# Altium PCB LimeSDR-XTRX_1v1.PcbDoc (part 5 of 8) (continued)
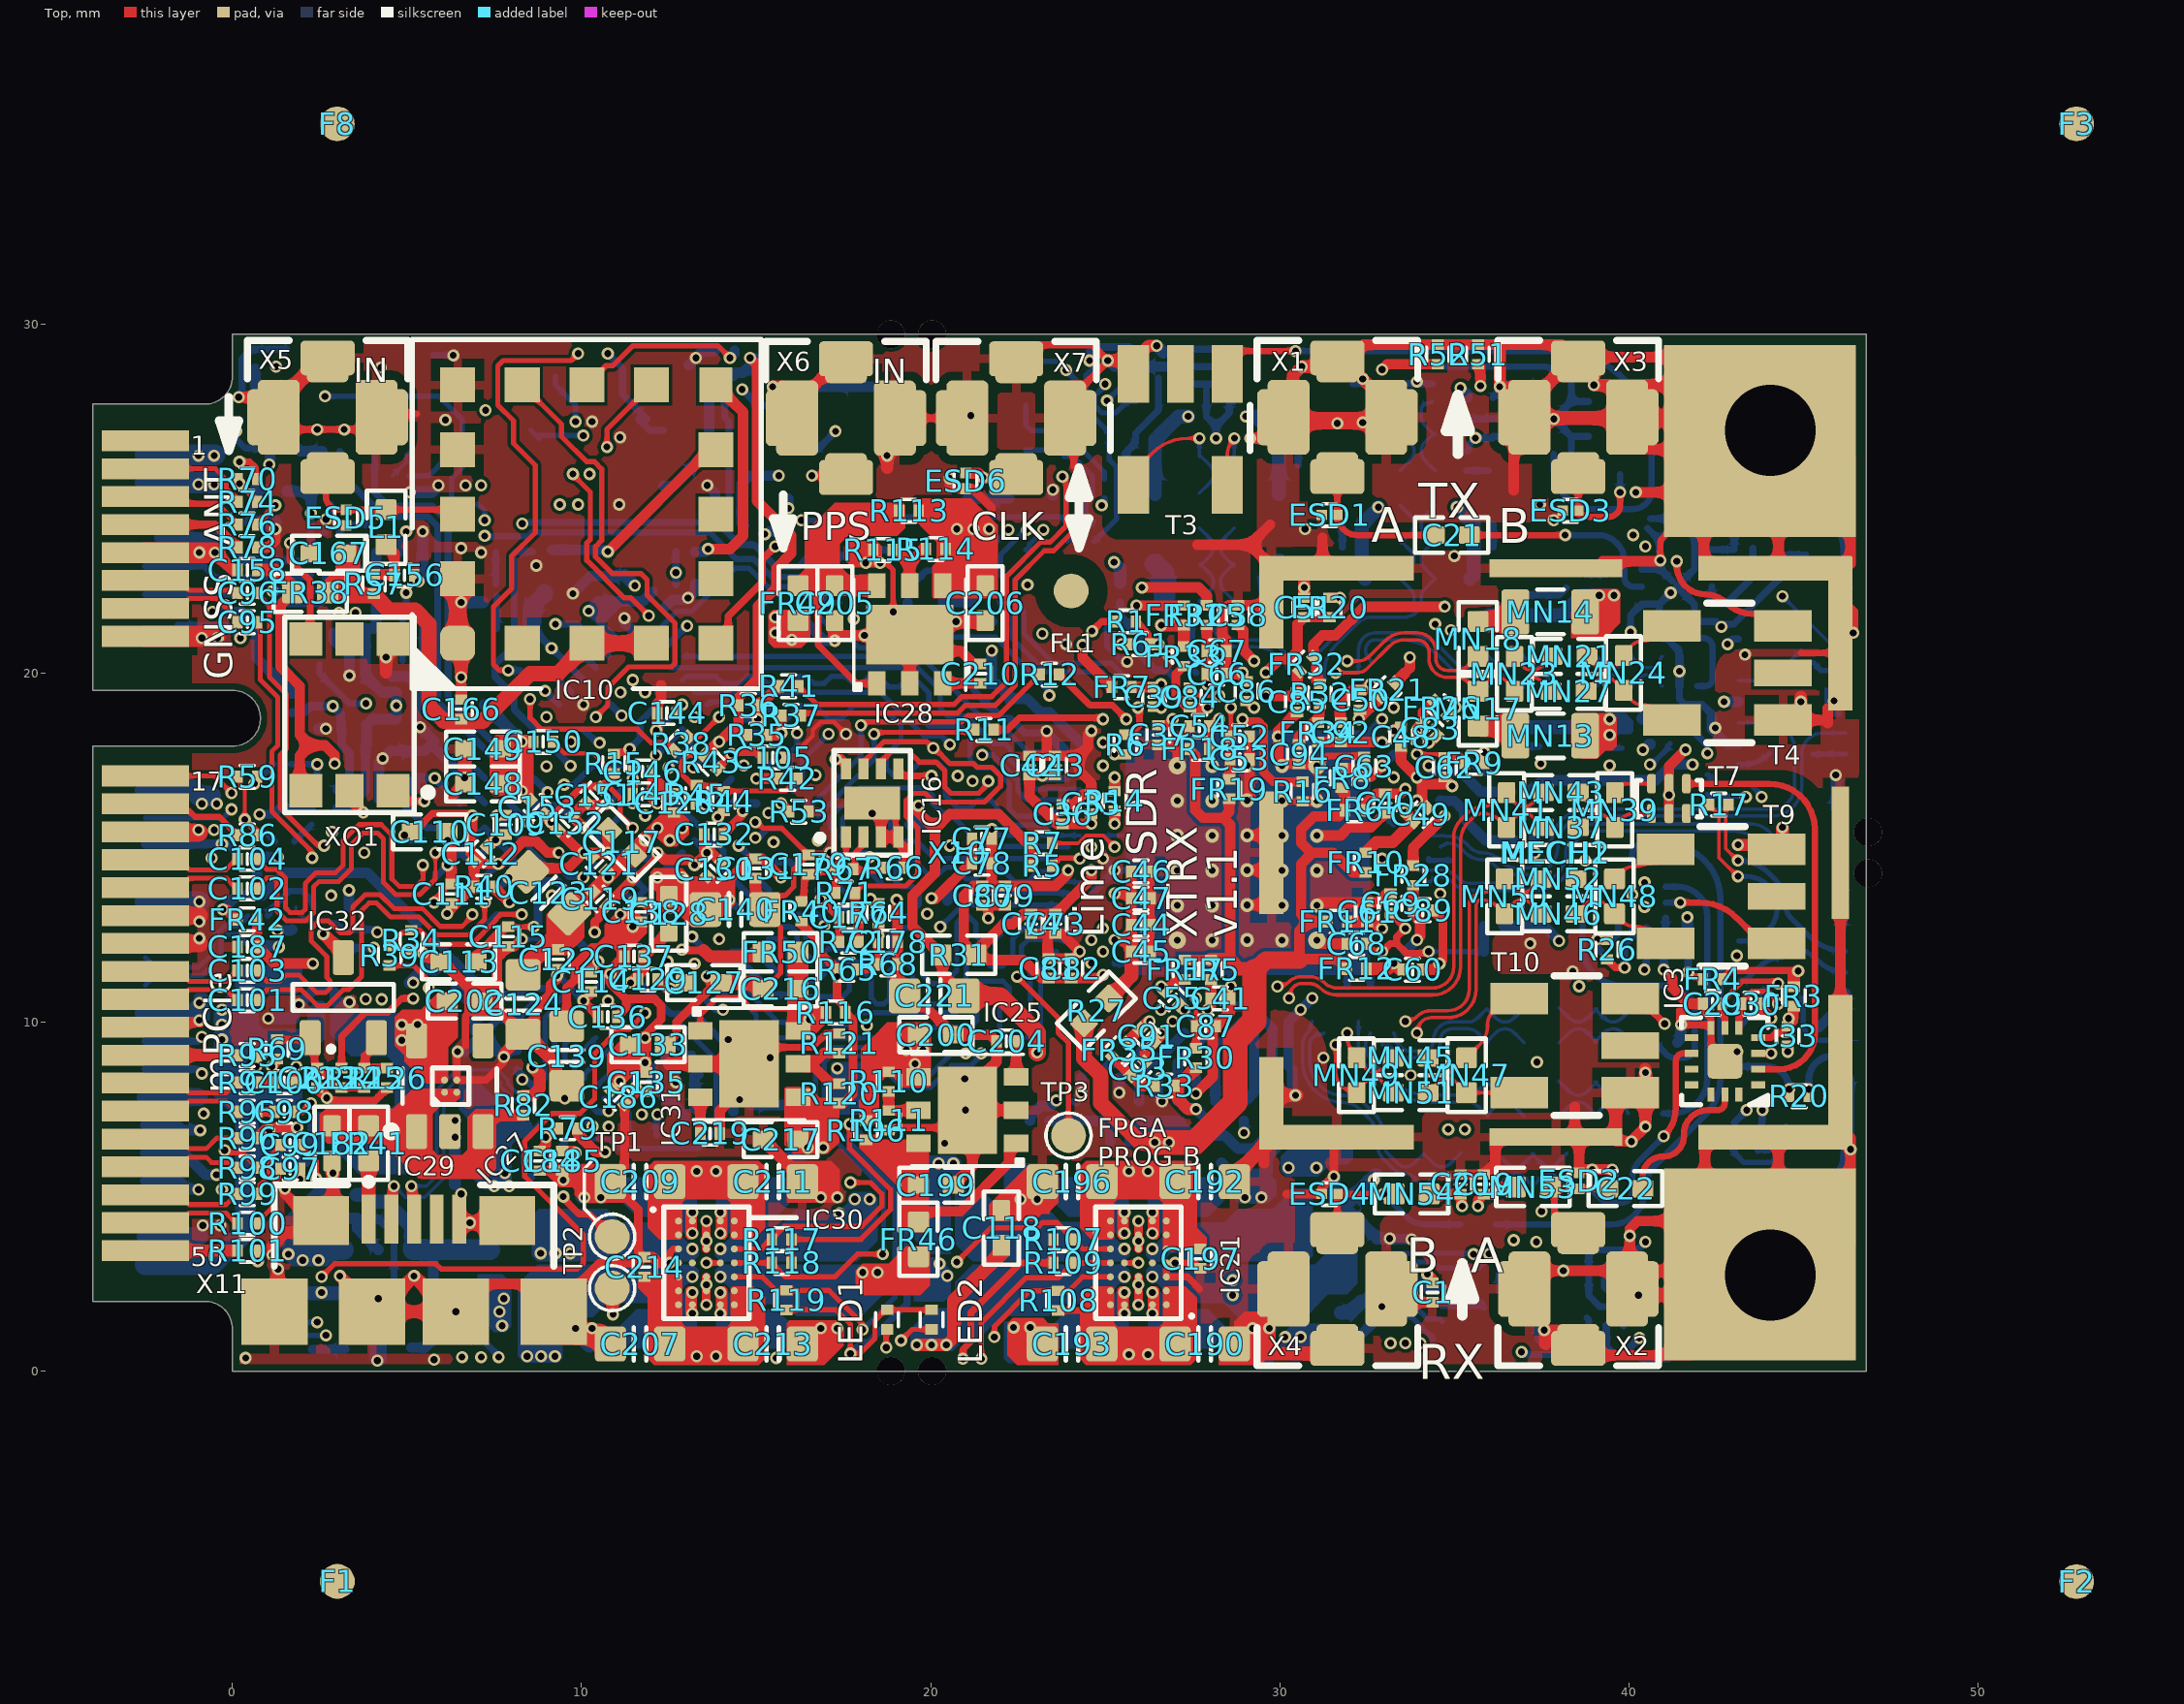
[diagram p0: Top view]
## Nets (pads, with @x,y where several pads share a name; then routed paths per layer and width w, separated by ;. In a path a pad name is that pad's centre, name@x,y a point inside that pad or via, vN(x,y) a via of type N, cw(c..) or ccw(c..) an arc to the next point about the centre after c; other vN are vias at no path point) (continued)
NetFR37_2: FR37.2 IC10.10 | length 5.9
  Top w0.3: v1(10.75,23.475) 13.675,26.4 IC10.10@13.85,26.4
  Bottom w0.3: FR37.2@9.155,23.525 10.7,23.525 v1(10.75,23.475)
NetFR41_1: FR41.1 X11.1 | length 1.7
  Top w0.4: X11.1@3.9,4.35 3.9,4.967 FR41.1@3.9,6.025
NetIC1_AA33: IC1.AA33 R2.2 | length 2.8
  Bottom w0.15: R2.2@21.197,13.697 23.938,13.697 IC1.AA33@23.938,13.68
NetIC1_AM24: IC1.AM24 R1.2 | length 12.7
  Top w0.2: v1(24.625,21.2) 24.9,21.475 R1.2@25.32,21.475
  L3 w0.1: v1(24.625,21.2) cw(c23.086,19.661) 25.262,19.661 25.262,18.7 ccw(c26.138,18.7) 25.519,18.081 ; 25.519,18.081 25.925,17.675 cw(c24.476,16.226) 26.525,16.226 26.525,12.208 ccw(c27.208,12.208) 26.725,11.725 cw(c26.217,11.217) 26.935,11.217 v1(26.935,10.017)
NetIC1_D28: IC1.D28 R13.1 | length 6
  Bottom w0.11: IC1.D28@25.603,19.341 25.603,19.845
  Bottom w0.15: R13.1@22.725,22.97 22.425,22.67 22.425,22 22.675,21.75 22.675,21.125 23.525,20.275 25.171,20.275 25.371,20.075 25.374,20.075 25.603,19.845
NetIC1_F18: IC1.F18 R16.1 | length 3.2
  Top w0.25: v1(28.933,18.675) 28.961,18.675 29.028,18.608 29.389,18.608 29.535,18.462 29.535,17.165 29.82,16.88 R16.1@30.65,16.88
NetIC1_F28: IC1.F28 R12.1 | length 2.5
  Top w0.2: R12.1@23.68,19.957 24.562,19.075 25.204,19.075 v1(25.603,18.675)
NetIC1_F30: IC1.F30 R11.1 | length 3.3
  Top w0.2: R11.1@21.805,18.375 22.2,18.375 22.542,18.717 v1@24.937,18.717
  other v1: 24.937,18.675
NetIC1_R29: IC1.R29 R14.2 | length 0.4
  Top w0.3: v1(25.27,15.678) R14.2@25.27,16.055
NetIC11_2: IC11.2 IC12.4 IC14.2 R58.1 | length 17.4
  L6 w0.25: v1(2.875,19.05) 2.185,19.74 2.185,24.04 1.85,24.375 1.85,24.75 2.175,25.075 2.875,25.075 3.3,25.5 3.85,25.5 4.4,26.05 5.216,26.05 5.475,25.791 5.475,25 4.976,24.501 v1(4.975,24.05) v1(4.975,24.05)
  Bottom w0.25: R58.1@1.705,18.85 1.723,18.868 2.043,18.868 2.225,19.05 v1(2.875,19.05) 3.095,18.83 3.095,18.34 IC11.2@3.127,18.307 ; IC12.4@2.988,16.65 3.35,17.013 3.35,17.71 3.127,17.932 IC11.2@3.127,18.307 ; IC11.2@3.127,18.598 IC11.2@3.127,18.307 ; IC11.2@3.15,18.285 IC11.2@3.127,18.307 ; IC14.2@4.775,23.44 4.83,23.495 4.83,23.878 4.975,24.023 v1(4.975,24.05)
NetIC16_2: IC16.2 R66.2 R67.2 | length 1.9
  Top w0.15: R67.2@17.825,14.423 17.825,14.837 18,15.012 18,15.225 IC16.2@18.075,15.3
  Top w0.2: R67.2@17.825,14.423 17.825,14.355 17.83,14.35 18.503,14.35 18.62,14.35 R66.2@18.67,14.4
NetIC16_8: IC16.8 R64.1 | length 5.7
  Top w0.3: v1(17.275,17.525) 17.422,17.525 17.575,17.372 IC16.8@17.575,17.25 ; v1@18.25,13.525 18.37,13.405 R64.1@18.5,13.405
  L3 w0.2: v1(17.275,17.525) 17.275,16 18.175,15.1 18.406,15.1 18.675,14.831 18.675,14.525 18.275,14.125 v1(18.275,13.525)
NetIC18_A1: IC18.A1 R89.1 | length 1
  Bottom w0.18: R89.1@8.937,5.956 9.516,6.536 IC18.A1@9.516,6.677
NetIC18_A5: IC18.A5 R92.2 | length 1.6
  Bottom w0.15: IC18.A5@10.648,7.809 10.941,7.809 11.35,7.4 11.35,6.931 R92.2@11.511,6.771
NetIC18_D2: IC18.D2 R82.1 | length 2.3
  Top w0.35: R82.1@8.33,7.89 8.59,7.89 8.8,8.1 8.8,8.5 v1(8.6,8.7)
  L7 w0.2: v1(8.6,8.7) 8.75,8.55 8.75,7.959 v4(8.901,7.809)
NetIC18_E2: IC18.E2 R77.2 R79.2 | length 5.2
  Top w0.3: R79.2@9.88,6.95 9.88,6.837 9.887,6.83 9.887,6.789 10.401,6.275 v1(10.675,6.275)
  L6 w0.3: v1(8.3,8.35) 8.326,8.35 10.391,6.285 10.665,6.285 v1(10.675,6.275)
  Bottom w0.2: R77.2@8.15,8.645 8.15,8.609 IC18.E2@8.668,8.091
NetIC20_5: IC20.5 R104.2 R105.1 | length 1.9
  Bottom w0.3: R104.2@2.904,4.392 3.577,4.392 3.577,4.075 3.579,4.075 3.725,3.929 3.725,3.925 IC20.5@4.175,3.475 IC20.5@4.185,3.485
NetIC21_A2: IC21.A2 IC21.B2 L3.1
  other v1: 26.35,1.65 26.35,2.25
NetIC21_A4: IC21.A4 IC21.B4 L2.1
  other v1: 25.55,1.65 25.55,2.25
NetIC21_C5: IC21.C5 IC21.D3 IC21.D4 R108.2 R112.2 | length 35.8
  Top w0.1: IC21.D4@25.515,3.1 IC21.D4@25.55,3.1
  Top w0.15: v1(21.825,0.975) 21.825,1.275 22.85,2.3 R108.2@23.65,2.3 23.662,2.312 23.962,2.312 24.35,2.7 IC21.C5@25.15,2.7 ; IC21.D4@25.55,3.1 v1(25.95,3.1)
  L3 w0.1: v1(2.675,1.025) 2.925,0.775 10.625,0.775 10.75,0.9 15.05,0.9 v1(15.575,0.375) ; v1(21.825,0.975) 21.873,0.927 22.006,0.927 22.009,0.925 23.025,0.925 25.2,3.1 v1(25.95,3.1)
  L6 w0.1: v1(15.575,0.375) 16.7,0.375 17.175,0.85 18.25,0.85 19.175,1.775 23.85,1.775 25.175,3.1 v1(25.95,3.1)
  Bottom w0.15: R112.2@1.4,1.245 1.83,1.245 2.05,1.025 v1(2.675,1.025)
NetIC21_F2: IC21.F2 IC21.G2 L5.1
  other v1: 26.35,3.95 26.35,4.55
NetIC21_F4: IC21.F4 IC21.G4 L4.1
  other v1: 25.55,3.95 25.55,4.55
NetIC25_5: IC25.5 R110.2 R111.1 | length 1.4
  Top w0.3: R110.2@18.8,8.015 R111.1@18.8,7.465 IC25.5@19.64,7.465 ; IC25.5@19.64,7.465 IC25.5@19.65,7.475
NetIC28_5: IC28.5 R114.2 R115.1 | length 1.9
  Top w0.3: R115.1@18.915,23.525 18.915,23.5 19.015,23.5 19.39,23.124 ; IC28.5@19.4,22.5 19.39,22.51 19.39,23.124 ; R114.2@19.865,23.55 19.865,23.525 19.791,23.525 19.39,23.124
NetIC30_A2: IC30.A2 IC30.B2 L7.1
  other v1: 13.175,3.95 13.175,4.55
NetIC30_A4: IC30.A4 IC30.B4 L6.1
  other v1: 13.975,3.95 13.975,4.55
NetIC30_C5: IC30.C5 IC30.D3 IC30.D4 R117.2 | length 11.6
  Top w0.15: v1(13.575,3.1) IC30.D4@13.975,3.1 ; IC30.C5@14.375,3.5 15.15,3.5 15.325,3.675 15.375,3.675 15.45,3.75 R117.2@15.45,3.775 15.45,3.8 15.525,3.875 15.538,3.875 15.813,4.15 18.021,4.15 18.6,4.729 18.6,5.075 18.272,5.403 v1(17.703,5.403)
  L6 w0.1: v1(13.575,3.1) 14.225,3.1 16.528,5.403 v1(17.703,5.403)
NetIC30_F2: IC30.F2 IC30.G2 L9.1
  other v1: 13.175,1.65 13.175,2.25
NetIC30_F4: IC30.F4 IC30.G4 L8.1
  other v1: 13.975,1.65 13.975,2.25
NetIC31_5: IC31.5 R120.2 R121.1 | length 2.7
  Top w0.3: R120.2@17.375,8.235 17.14,8.235 16.675,8.7 16.4,8.7 16.3,8.8 IC31.5@16.2,8.8 16.3,8.9 16.728,8.9 16.938,9.11 R121.1@17.375,9.11
NetIC32_2: IC32.2 R125.2 R126.1 | length 1.7
  Top w0.25: IC32.2@4.125,9.55 4.125,9.35 3.8,9.025 3.8,8.68 4,8.68 R126.1@4.45,8.68
NetLED1_K: LED1.K R97.1 | length 34.1
  Top w0.15: v1(18.725,0.675) LED1.K@18.725,1.195
  L3 w0.1: v1(18.725,0.675) v1@18.738,0.688
  L6 w0.1: v1(18.725,0.675) 18.725,1.025 19.05,1.35 20.95,1.35 21.175,1.575 23.783,1.575 24.258,1.1 26.475,1.1 27.1,0.475 35.275,0.475 37,2.2 38.075,2.2 38.6,2.725 38.6,4.75 38.425,4.925 38.425,6.308 39.642,7.525 42.383,7.525 43.058,6.85 44.35,6.85 v2(44.5,7)
  Bottom w0.2: R97.1@43.7,6.32 43.727,6.347 44.022,6.347 44.5,6.825 v2(44.5,7)
NetLED2_K: LED2.K R102.1 | length 35.9
  Top w0.15: v1(19.15,0.875) 19.47,1.195 LED2.K@20.025,1.195
  L6 w0.1: v1(19.15,0.875) 19.4,1.125 21.175,1.125 21.95,0.35 24.8,0.35 25.35,0.9 26.392,0.9 27.017,0.275 35.358,0.275 37.083,2 38.158,2 38.8,2.642 38.8,4.833 38.625,5.008 38.625,6.225 39.725,7.325 42.3,7.325 43.05,6.575 v2(45.025,6.575)
  Bottom w0.15: R102.1@42.95,6.325 42.975,6.325 43.05,6.25 43.05,6.225 43.3,5.975 44.075,5.975 44.675,6.575 v2(45.025,6.575)
NetMN13_1: MN13.1 MN17.2 | length 1.2
  Top w0.6: MN17.2@35.675,18.475 36.475,18.475 MN13.1@36.75,18.2
NetMN14_1: MN14.1 MN18.2 | length 1.2
  Top w0.6: MN18.2@35.675,21.475 36.475,21.475 MN14.1@36.75,21.75
NetMN15_1: MN15.1 MN19.2 | length 1.2
  Bottom w0.6: MN15.1@26.425,23.125 26.7,22.85 MN19.2@26.7,22.05
NetMN16_1: MN16.1 MN20.2 | length 1.2
  Bottom w0.6: MN20.2@29.7,22.05 29.7,22.85 MN16.1@29.975,23.125
NetR74_2: R74.2 X10.3 | length 3.2
  Top w0.14: X10.3@-2.5,25.85 -0.487,25.85 -0.18,25.543 -0.18,25.3 0.145,24.975 R74.2@0.145,24.95
NetR76_2: R76.2 X10.5 | length 3
  Top w0.18: X10.5@-2.5,25.05 -2.3,24.85 -0.455,24.85 R76.2@0.145,24.25
NetR86_2: R86.2 X10.19 | length 3
  Top w0.18: X10.19@-2.5,16.25 -2.29,16.04 -1.24,16.04 -1.075,15.875 -0.375,15.875 0.142,15.358 R86.2@0.142,15.322
NetR90_1: R90.1 X10.30 | length 3.9
  Bottom w0.14: X10.30@-2.5,11.85 -2.325,11.675 -1.35,11.675 -1.245,11.57 -0.97,11.57 -0.575,11.964 -0.575,12.414 -0.242,12.748 0.143,12.748 R90.1@0.445,13.05
NetR91_1: R91.1 X10.32 | length 3.9
  Bottom w0.14: X10.32@-2.5,11.05 -2.325,11.225 -1.35,11.225 -1.245,11.33 -0.87,11.33 -0.335,11.865 -0.335,12.315 -0.142,12.508 0.143,12.508 R91.1@0.445,12.206
NetR93_2: R93.2 X10.37 | length 2.6
  Top w0.35: X10.37@-2.55,9.05 R93.2@0.069,9.05
NetR94_2: R94.2 X10.39 | length 2.9
  Top w0.14: X10.39@-2.5,8.25 -2.325,8.075 -1.35,8.075 -1.245,7.97 -0.182,7.97 R94.2@0.12,8.272
NetR95_2: R95.2 X10.41 | length 2.9
  Top w0.14: X10.41@-2.5,7.45 -2.325,7.625 -1.35,7.625 -1.245,7.73 -0.182,7.73 R95.2@0.12,7.428
NetR96_2: R96.2 X10.43 | length 2.9
  Top w0.14: X10.43@-2.5,6.65 -2.325,6.475 -1.35,6.475 -1.245,6.37 -0.755,6.37 -0.453,6.672 R96.2@0.12,6.672
NetR98_2: R98.2 X10.45 | length 2.9
  Top w0.14: X10.45@-2.5,5.85 -2.325,6.025 -1.35,6.025 -1.245,6.13 -0.755,6.13 -0.6,5.975 -0.027,5.975 R98.2@0.12,5.828
NetR99_2: R99.2 X10.47 | length 2.9
  Top w0.14: X10.47@-2.5,5.05 -2.325,4.875 -1.35,4.875 -1.245,4.77 -0.182,4.77 R99.2@0.12,5.072
NetR100_2: R100.2 X10.49 | length 2.9
  Top w0.14: X10.49@-2.5,4.25 -2.325,4.425 -1.35,4.425 -1.245,4.53 -0.182,4.53 R100.2@0.12,4.228
NetR101_2: R101.2 X10.51 | length 2.6
  Top w0.35: X10.51@-2.55,3.45 R101.2@0.07,3.45
PCI_REF_CLK1_N: IC7.A10 TP2.1 | length 22.8
  Top w0.3: TP2.1@10.875,2.375 10.89,2.36 10.89,1.635 v1(10.9,1.625)
  L3 w0.1: v1(4.275,10.65) 4.275,10.9 4.175,11 3.275,11 3.025,10.75 3.025,10.325 3.3,10.05 3.3,9.517 5.175,7.642 5.175,6.742 5.875,6.042 5.875,1.725 6.625,0.975 8.975,0.975 9.625,1.625 v1(10.9,1.625)
  L6 w0.1: v1(4.275,10.65) 4.275,10.935 4.79,11.45 7.783,11.45 8.001,11.668 v2(8.285,11.668)
PCI_REF_CLK1_P: IC7.B10 TP1.1 | length 22.6
  Top w0.2: v1@9.5,5 9.5,4.925 9.925,4.5 10.225,4.5 TP1.1@10.875,3.85
  L3 w0.1: v1(3.816,10.659) 3.816,10.341 3.5,10.025 3.5,9.6 5.375,7.725 5.375,6.825 6.075,6.125 6.075,4.975 6.425,4.625 6.425,4.1 6.075,3.75 6.075,3.25 6.275,3.05 6.925,3.05 7.375,3.5 7.375,4.65 7.55,4.825 8.225,4.825 8.444,4.606 8.444,4.206 8.6,4.05 9.275,4.05 9.475,4.25 v1(9.475,5)
  L6 w0.1: v1(3.816,10.659) 3.816,10.851 4.616,11.65 7.7,11.65 8.072,12.022 v2(8.638,12.022)
PCIE_PERST#: R87.1 R112.1 X10.22 | length 22.2
  L6 w0.1: v1(-0.3,15.1) -1.2,15.1 -2.475,13.825 -2.475,4.35 -1.325,3.2 0.125,3.2 1.925,1.4 v1(2.425,1.4)
  Bottom w0.15: R112.1@1.4,1.805 1.695,1.805 2.1,1.4 v1(2.425,1.4)
  Bottom w0.25: X10.22@-2.5,15.1 -0.741,15.1 -0.409,15.1 -0.106,15.1 R87.1@0.119,14.875
PCIE_REF_CLK_N: C96.1 X10.11 | length 2.8
  Top w0.14: X10.11@-2.5,22.65 -2.325,22.475 -1.35,22.475 -1.245,22.37 C96.1@0.145,22.37
PCIE_REF_CLK_P: C95.1 X10.13 | length 2.9
  Top w0.14: X10.13@-2.5,21.85 -2.325,22.025 -1.35,22.025 -1.245,22.13 -0.455,22.13 C95.1@0.1,21.575
PCIE_RESERVED: IC7.V7 R98.1 | length 29.2
  Top w0.15: v1(-0.225,6.325) -0.15,6.25 0.295,6.25 0.618,5.928 0.63,5.928 0.705,5.853 R98.1@0.705,5.828
  L3 w0.1: v1(-0.225,6.325) 1,7.55 1.55,7.55 2.55,8.55 2.55,10.975 3,11.425 4.592,11.425 4.85,11.167 4.85,10.99 4.85,10.54 5.04,10.35 5.55,10.35 6.375,11.175 8.534,11.175 9.31,11.951 9.31,12.956 8.242,14.024 8.242,14.383 7.732,14.893 7.257,14.893 6.513,15.637 6.513,16.013 6.975,16.475 7.65,16.475 8.175,17 9.126,17 9.338,17.212 9.338,17.452 9.55,17.664 10.644,17.664 11.719,18.739 v1(13.234,18.739)
PCIE_RX0_N: C103.1 X10.31 | length 2.9
  Top w0.14: X10.31@-2.5,11.45 -2.325,11.275 -1.35,11.275 -1.245,11.17 -0.182,11.17 C103.1@0.12,11.472
PCIE_RX0_P: C101.1 X10.33 | length 2.9
  Top w0.14: X10.33@-2.5,10.65 -2.325,10.825 -1.35,10.825 -1.245,10.93 -0.182,10.93 C101.1@0.12,10.628
PCIE_RX1_N: C99.1 R99.1 | length 1.7
  Top w0.14: R99.1@0.68,5.072 R99.1@0.76,5.152 ; R99.1@0.785,5.152 0.785,5.342 1.05,5.607 1.05,6.125 1.375,6.45 C99.1@1.375,6.475
PCIE_RX1_P: C97.1 R100.1 | length 2
  Top w0.14: R100.1@0.76,4.333 0.68,4.253 0.68,4.228 1.15,4.698 1.15,5.363 1.31,5.523 1.31,5.735 C97.1@1.375,5.8 C97.1@1.375,5.775
PCIE_TX0_N: C104.2 X10.23 | length 2.9
  Top w0.14: X10.23@-2.5,14.65 -2.325,14.475 -1.35,14.475 -1.231,14.355 -0.197,14.355 C104.2@0.12,14.672
PCIE_TX0_P: C102.2 X10.25 | length 2.8
  Top w0.14: X10.25@-2.5,13.85 -2.325,14.025 -1.35,14.025 -1.26,14.115 -0.167,14.115 C102.2@0.12,13.828
PCIE_TX1_N: C100.2 R94.1 | length 0.4
  Top w0.25: R94.1@0.68,8.272 C100.2@1.082,8.272
PCIE_TX1_P: C98.2 R95.1 | length 0.5
  Top w0.25: R95.1@0.68,7.428 C98.2@1.132,7.428
PCIE_W_DISABLE2#: IC7.W3 R101.1 | length 36.4
  L3 w0.1: v1(0.725,3.15) 0.725,5.25 3.1,7.625 3.1,8.125 2.75,8.475 2.75,10.825 3.125,11.2 4.366,11.2 4.6,10.966 4.6,10.183 4.525,10.108 4.525,9.34 4.715,9.15 5.125,9.15 6.85,10.875 9.291,10.875 9.62,11.205 9.62,13.68 9.275,14.025 9.03,14.025 7.863,15.191 7.863,15.353 7.641,15.575 7.356,15.575 7.196,15.735 7.196,16.121 7.325,16.25 9.513,16.25 10.738,17.475 11.511,17.475 12.061,18.025 12.3,18.025 12.675,18.4 13.4,18.4 13.559,18.559 13.559,20.816 v1(13.025,21.35)
  Bottom w0.2: IC7.W3@12.174,20.507 v1@13.021,21.354
PERST#: IC7.T3 R87.2 R88.2 | length 27
  Top w0.15: v1(9.75,25.7) 9.75,25.68 10.25,25.18 10.25,23.824 10.15,23.724 10.15,23.226 11.226,22.15 11.413,22.15 v1(11.925,21.638)
  L4 w0.1: v1(1.297,14.725) 1.297,14.972 1.875,15.55 1.875,17.35 2.35,17.825 2.35,22.05 3.263,22.962 3.263,24.863 4.325,25.925 9.525,25.925 v1(9.75,25.7) v1@9.8,25.65 ; v1(11.113,19.446) 11.113,20.038 11.925,20.85 v1(11.925,21.638) v1@11.925,21.725
  Bottom w0.3: R88.2@0.704,14.242 R87.2@0.704,14.715 ; R87.2@0.704,14.875 R87.2@0.704,14.715 ; v1@1.297,14.715 R87.2@0.704,14.715
PLL_CLK: C171.2 R61.2 | length 24.2
  Top w0.35: v1(25.47,20.825) R61.2@25.695,20.825
  L6 w0.1: v1(4.975,22.3) 5.748,22.3 ccw(c5.748,22.727) 6.05,22.425 cw(c6.533,21.942) 6.533,22.625 8.478,22.625 ccw(c8.478,23.222) 8.9,22.8 cw(c9.322,22.378) 9.322,22.975 11.15,22.975 cw(c11.15,21.828) 11.961,22.639 12.525,22.075 ccw(c13.249,22.799) 13.249,21.775 13.695,21.775 ccw(c13.695,23.055) 14.6,22.15 cw(c15.204,21.546) 15.204,22.4 19.864,22.4 cw(c19.864,20.864) 20.95,21.95 21.22,21.68 ccw(c21.775,22.235) 21.775,21.45 cw(c21.775,20.726) 22.287,21.238 22.6,20.925 ccw(c23.867,22.192) 23.867,20.4 24.444,20.4 ccw(c24.444,21.851) v1(25.47,20.825)
  Bottom w0.18: C171.2@4.87,20.35 4.87,21.87 4.975,21.975 v1(4.975,22.3)
R0_N: C103.2 IC7.A6 | length 10.8
  Top w0.14: C103.2@0.68,11.472 0.982,11.17 1.355,11.17 1.536,11.35 1.9,11.35 2.4,10.85 2.675,10.85 2.8,10.975 2.8,11.179 2.705,11.274 2.705,11.87 2.255,12.32 2.255,12.668 2.487,12.9 2.75,12.9 3.1,12.55 3.35,12.55 3.45,12.65 3.45,13.3 3.8,13.65 4.225,13.65 4.625,13.25 5.439,13.25 5.949,12.74 6.576,12.74 6.894,13.059 v1(6.871,13.082)
R0_P: C101.2 IC7.B6 | length 10.2
  Top w0.14: C101.2@0.68,10.628 0.982,10.93 1.97,10.93 2.425,10.475 2.725,10.475 3.175,10.925 3.325,10.925 3.7,11.3 3.7,13.2 3.91,13.41 4.126,13.41 4.526,13.01 5.34,13.01 5.85,12.5 6.776,12.5 7.224,12.948 v1(7.224,13.436)
R1_N: C99.2 IC7.A4 | length 12.1
  Top w0.14: C99.2@1.935,6.475 2.4,6.01 v1(2.4,5.5)
  L6 w0.1: v1(2.4,5.5) 2.4,5.551 2.267,5.684 2.267,5.885 3.275,6.892 3.275,9.008 3,9.283 3,10.692 3.858,11.55 4.233,11.55 4.725,12.042 4.725,12.975 5.693,13.943 6.008,13.943 6.162,13.789 v2(6.163,13.789)
R1_P: C97.2 IC7.B4 | length 11.8
  Top w0.3: v1(1.935,5.5) C97.2@1.935,5.8
  L6 w0.1: v1(1.935,5.5) 1.935,5.551 2.067,5.684 2.067,5.968 3.075,6.975 3.075,8.925 2.8,9.2 2.8,10.775 3.275,11.25 3.775,11.75 4.15,11.75 4.525,12.125 4.525,13.058 5.61,14.143 v2(6.517,14.143)
RX1_H: IC3.2 T7.1 | length 12.5
  Top w0.18: T7.1@41.65,16.825 44.025,16.825 cw(c44.025,15.525) 45.325,15.525 45.325,9.668 cw(c44.307,9.668) 44.307,8.65 IC3.2@43.702,8.65
RX1_H_A_N: IC1.AJ15 MN41.1 MN43.2 | length 12.8
  Top w0.1: v1(29.932,11.016) cw(c30.015,10.934) 30.015,11.05 ccw(c30.015,11.396) 30.26,11.151 cw(c30.618,10.793) 30.618,11.3 30.849,11.3 cw(c30.849,10.676) 31.291,11.117 ; 31.291,11.116 ccw(c31.633,11.458) 31.633,10.975 34.375,10.975 ccw(c34.375,11.581) 34.981,11.581 34.981,15.28 cw(c35.728,15.28) 35.2,15.808 35.38,15.988 ; 35.436,16.044 35.38,15.988 ; 35.834,16.175 ccw(c35.834,15.531) 35.38,15.988 ; 35.835,16.175 ccw(c35.835,16.81) 36.284,16.361 MN41.1@36.473,16.55 ; MN41.1@36.498,16.575 MN41.1@36.473,16.55 ; MN43.2@37.548,16.575 37.255,16.282 cw(c36.997,16.54) 36.998,16.175 cw(c36.999,16.54) 36.741,16.282 MN41.1@36.473,16.55
RX1_H_A_P: IC1.AK14 MN37.2 MN41.2 | length 12.6
  Top w0.1: v1(30.265,10.683) ccw(c30.183,10.765) 30.3,10.765 30.3,10.773 cw(c30.626,10.773) 30.395,11.004 cw(c30.626,10.773) 30.626,11.1 30.848,11.1 cw(c30.848,10.673) 31.151,10.974 ccw(c31.632,11.456) 31.632,10.775 34.375,10.775 ccw(c34.375,11.581) 35.181,11.581 35.181,15.197 cw(c35.928,15.197) 35.4,15.725 35.519,15.844 cw(c35.835,15.528) 35.835,15.975 cw(c35.835,15.34) 36.284,15.789 MN41.2@36.473,15.6 ; MN41.2@36.498,15.575 MN41.2@36.473,15.6 ; MN37.2@37.548,15.575 37.255,15.868 ccw(c36.997,15.61) 36.998,15.975 ccw(c36.999,15.61) 36.741,15.868 MN41.2@36.473,15.6
RX1_H_B_N: MN39.1 MN43.1 T7.3 | length 2.6
  Top w0.1: MN43.1@38.548,16.575 38.841,16.282 ccw(c39.099,16.54) 39.099,16.175 ; 39.097,16.175 ccw(c39.097,16.54) 39.355,16.282 MN39.1@39.623,16.55 ; MN39.1@39.598,16.575 cw(c39.848,16.575) 39.848,16.825 T7.3@40.65,16.825
RX1_H_B_P: MN37.1 MN39.2 T7.4 | length 2.5
  Top w0.1: MN37.1@38.548,15.575 38.841,15.868 cw(c39.099,15.61) 39.098,15.975 cw(c39.097,15.61) 39.355,15.868 MN39.2@39.601,15.622 ; MN39.2@39.598,15.575 cw(c39.998,15.575) MN39.2@39.601,15.622 ; MN39.2@39.623,15.6 MN39.2@39.601,15.622 ; MN39.2@39.726,15.622 cw(c40.123,15.575) 40.123,15.975 T7.4@40.65,15.975
RX1_L: IC3.9 T5.2 | length 6.3
  Top w0.18: v1(41,6.725) ccw(c40.155,7.57) 41.35,7.57 41.35,8.9 cw(c41.55,8.9) 41.55,9.1 IC3.9@41.797,9.1
  Bottom w0.18: T5.2@38.875,5.26 39.211,4.924 ccw(c39.45,5.163) 39.45,4.825 39.775,4.825 ccw(c39.775,5.15) 40.1,5.15 40.1,5.513 cw(c40.854,5.513) 40.321,6.046 v1(41,6.725)
RX1_L_A_N: IC1.AM12 MN33.1 MN35.2 | length 8
  Bottom w0.1: IC1.AM12@30.932,10.017 ccw(c31.014,9.935) 30.897,9.935 cw(c30.551,9.935) 30.796,9.69 ccw(c31.137,9.349) 30.655,9.349 30.655,8.868 ccw(c31.817,8.868) 30.995,8.047 ; 31.021,8.021 ccw(c31.796,8.795) 31.796,7.7 31.8,7.7 cw(c31.8,6.976) 32.312,7.488 32.551,7.249 cw(c31.946,6.646) 32.8,6.646 32.8,6.474 ccw(c33.36,6.474) 32.964,6.078 33.243,5.8 ccw(c33.595,6.152) 33.595,5.653 33.596,5.653 cw(c33.596,5.289) 33.854,5.547 MN33.1@34.122,5.279 ; MN33.1@34.147,5.253 MN33.1@34.122,5.279 ; MN35.2@35.197,5.253 34.904,5.547 ccw(c34.647,5.289) 34.647,5.653 ccw(c34.648,5.289) 34.391,5.547 MN33.1@34.122,5.279
RX1_L_A_P: IC1.AN11 MN30.2 MN33.2 | length 7.6
  Bottom w0.1: IC1.AN11@31.265,9.684 cw(c31.182,9.766) 31.182,9.65 31.172,9.65 ccw(c31.172,9.328) 30.944,9.556 ccw(c31.16,9.34) 30.855,9.34 30.855,8.905 ccw(c31.905,8.905) 31.162,8.163 ccw(c31.797,8.798) 31.797,7.9 31.8,7.9 cw(c31.8,6.977) 32.453,7.63 32.694,7.389 cw(c31.954,6.649) 33,6.649 33,6.475 ccw(c33.362,6.475) 33.106,6.219 33.383,5.942 ccw(c33.596,6.155) 33.596,5.854 ccw(c33.596,6.218) 33.854,5.96 34.122,6.228 34.391,5.96 ccw(c34.648,6.218) 34.647,5.854 ccw(c34.647,6.218) 34.904,5.96 MN30.2@35.197,6.253
RX1_L_B_N: MN31.1 MN35.1 T5.3 | length 2.7
  Bottom w0.1: MN35.1@36.197,5.253 36.491,5.547 cw(c36.748,5.289) 36.748,5.653 ; 36.747,5.653 cw(c36.747,5.289) 37.004,5.547 MN31.1@37.272,5.279 ; MN31.1@37.223,5.279 37.491,5.547 cw(c37.748,5.289) 37.748,5.653 cw(c37.748,5.436) 37.902,5.59 T5.3@38.225,5.267
RX1_L_B_P: MN30.1 MN31.2 T5.4 | length 2.7
  Bottom w0.1: MN30.1@36.197,6.253 36.491,5.96 ccw(c36.748,6.218) 36.747,5.854 ccw(c36.747,6.218) 37.004,5.96 MN31.2@37.272,6.228 ; MN31.2@37.223,6.228 37.247,6.204 37.491,5.96 ccw(c37.748,6.218) 37.748,5.854 ccw(c37.748,6.071) 37.902,5.917 T5.4@38.225,6.24
RX1_W: IC3.3 T10.1 | length 5
  Top w0.18: T10.1@40.04,10.67 40.305,10.67 v1(41.025,9.95) ; IC3.3@43.702,9.1 v1(44.075,9.1)
  L6 w0.1: v1(41.025,9.95) ccw(c41.085,9.95) 41.043,9.907 41.25,9.7 ccw(c41.612,10.062) 41.612,9.55 43.039,9.55 cw(c43.039,9.1) 43.357,9.418 43.392,9.383 ccw(c44.075,10.066) v1(44.075,9.1)
RX1_W_A_N: IC1.AP10 MN49.1 MN51.2 | length 3
  Top w0.1: v1(31.598,9.351) 31.598,8.577 ccw(c32.175,8.577) 32.175,8 32.443,8.268 cw(c32.701,8.01) 32.701,8.375 ; 32.699,8.375 cw(c32.699,8.01) 32.957,8.268 MN51.2@33.25,7.975
RX1_W_A_P: IC1.AN9 MN45.2 MN49.2 | length 2.4
  Top w0.1: v1(31.931,9.684) 31.931,9.626 ccw(c32.851,9.626) MN49.2@32.2,8.975 MN49.2@31.995,8.975 ; MN49.2@32.175,8.95 32.443,8.682 ccw(c32.701,8.94) 32.701,8.575 ; 32.699,8.575 ccw(c32.699,8.94) 32.957,8.682 MN45.2@33.25,8.975
RX1_W_B_N: MN47.1 MN51.1 T10.4 | length 2.9
  Top w0.1: MN51.1@34.25,7.975 34.543,8.268 cw(c34.801,8.01) 34.801,8.375 ; 34.799,8.375 cw(c34.799,8.01) 35.057,8.268 MN47.1@35.325,8 ; MN47.1@35.35,7.975 T10.4@36.86,7.975
RX1_W_B_P: MN45.1 MN47.2 T10.6 | length 3.8
  Top w0.1: MN45.1@34.25,8.975 34.543,8.682 ccw(c34.801,8.94) 34.801,8.575 ; 34.799,8.575 ccw(c34.799,8.94) 35.057,8.682 MN47.2@35.325,8.95 ; MN47.2@35.35,8.975 35.72,9.345 ccw(c35.165,9.9) 35.95,9.9 ; 35.95,9.934 cw(c36.411,9.934) 36.085,10.26 36.085,10.27 36.227,10.412 36.237,10.412 cw(c36.86,9.789) T10.6@36.86,10.67
RX2_H: IC4.2 T8.1 | length 8.2
  Bottom w0.18: T8.1@40.983,7.38 41.244,7.38 ccw(c41.244,8.386) 42.25,8.386 42.25,13.029 ccw(c41.404,13.029) 41.404,13.875 IC4.2@41.053,13.875
RX2_H_A_N: IC1.AM8 MN42.1 MN44.2 | length 6.7
  Bottom w0.1: IC1.AM8@32.264,10.017 32.256,10.009 32.256,9.343 ccw(c33.175,9.343) 32.525,8.692 32.961,8.256 ccw(c34.293,9.589) 34.293,7.705 35.07,7.705 35.401,7.705 cw(c35.401,7.34) 35.659,7.598 MN42.1@35.927,7.33 ; MN42.1@35.952,7.305 MN42.1@35.927,7.33 ; MN44.2@37.002,7.305 36.709,7.598 ccw(c36.451,7.34) 36.452,7.704 ccw(c36.453,7.34) 36.196,7.598 MN42.1@35.927,7.33
RX2_H_A_P: IC1.AN7 MN38.2 MN42.2 | length 6
  Bottom w0.1: IC1.AN7@32.597,9.684 cw(c32.494,9.684) 32.566,9.611 ccw(c32.834,9.344) 32.456,9.344 ccw(c33.178,9.344) 32.667,8.833 33.1,8.4 ccw(c34.296,9.596) 34.296,7.905 35.07,7.905 ; 35.073,7.905 35.401,7.905 ccw(c35.401,8.269) 35.659,8.011 35.927,8.28 36.196,8.011 ccw(c36.453,8.269) 36.452,7.905 ccw(c36.451,8.269) 36.709,8.011 MN38.2@37.002,8.305
RX2_H_B_N: MN40.1 MN44.1 T8.3 | length 2.7
  Bottom w0.1: MN44.1@38.002,7.305 38.296,7.598 cw(c38.553,7.34) 38.553,7.705 ; 38.551,7.705 cw(c38.551,7.34) 38.809,7.598 MN40.1@39.052,7.355 ; MN40.1@39.027,7.33 MN40.1@39.052,7.355 ; MN40.1@39.077,7.33 MN40.1@39.052,7.355 ; T8.3@39.983,7.38 cw(c40.103,7.5) 39.933,7.5 ccw(c39.728,7.5) 39.728,7.705 39.553,7.705 ccw(c39.553,7.34) 39.296,7.598 MN40.1@39.052,7.355
RX2_H_B_P: MN38.1 MN40.2 T8.4 | length 2.7
  Bottom w0.1: MN38.1@38.002,8.305 38.296,8.011 ccw(c38.553,8.269) 38.553,7.905 ; 38.551,7.905 ccw(c38.551,8.269) 38.809,8.011 MN40.2@39.077,8.28 ; MN40.2@39.027,8.28 39.296,8.011 ccw(c39.553,8.269) 39.553,7.905 39.728,7.905 ccw(c39.728,8.109) 39.933,8.109 cw(c40.103,8.109) T8.4@39.983,8.23
RX2_L: IC4.9 T6.2 | length 8.4
  Bottom w0.18: IC4.9@39.148,13.425 39,13.425 ccw(c39,13.1) 38.778,13.337 ccw(c39,13.1) 38.675,13.1 38.675,12.175 ccw(c39.8,12.175) 39.8,11.05 41.129,11.05 cw(c41.129,10.295) 41.885,10.295 41.885,9.28 cw(c41.585,9.28) 41.585,8.98 41.31,8.98 cw(c41.31,9.317) 41.071,9.079 T6.2@40.735,9.415
RX2_L_A_N: IC1.AP6 MN34.1 MN36.2 | length 5.1
  Bottom w0.1: IC1.AP6@32.93,9.351 ccw(c33.012,9.433) 33.012,9.317 cw(c33.012,8.971) 33.256,9.216 ; 33.257,9.216 33.336,9.136 ccw(c33.724,9.524) 33.724,8.975 34.1,8.975 ccw(c34.1,9.475) 34.6,9.475 cw(c34.93,9.475) 34.93,9.805 35.401,9.805 cw(c35.401,9.44) 35.659,9.698 MN34.1@35.927,9.43 ; MN34.1@35.952,9.405 MN34.1@35.927,9.43 ; MN36.2@37.002,9.405 36.709,9.698 ccw(c36.451,9.44) 36.452,9.805 ccw(c36.453,9.44) 36.196,9.698 MN34.1@35.927,9.43
RX2_L_A_P: IC1.AN5 MN29.2 MN34.2 | length 4.9
  Bottom w0.1: IC1.AN5@33.263,9.684 cw(c33.18,9.602) 33.297,9.602 ccw(c33.643,9.602) 33.398,9.357 33.477,9.277 ccw(c33.725,9.525) 33.725,9.175 34.1,9.175 ccw(c34.1,9.475) 34.4,9.475 cw(c34.93,9.475) 34.93,10.005 35.401,10.005 ccw(c35.401,10.369) 35.659,10.111 35.927,10.38 36.196,10.111 ccw(c36.453,10.369) 36.452,10.005 ccw(c36.451,10.369) 36.709,10.111 MN29.2@37.002,10.405
RX2_L_B_N: MN32.1 MN36.1 T6.3 | length 2.7
  Bottom w0.1: MN36.1@38.002,9.405 38.296,9.698 cw(c38.553,9.44) 38.552,9.805 cw(c38.552,9.44) 38.809,9.698 MN32.1@39.052,9.455 ; MN32.1@39.027,9.43 MN32.1@39.052,9.455 ; MN32.1@39.077,9.43 MN32.1@39.052,9.455 ; T6.3@40.085,9.415 39.794,9.705 ccw(c39.553,9.464) 39.553,9.805 ccw(c39.553,9.44) 39.296,9.698 MN32.1@39.052,9.455
RX2_L_B_P: MN29.1 MN32.2 T6.4 | length 2.7
  Bottom w0.1: MN29.1@38.002,10.405 38.296,10.111 ccw(c38.553,10.369) 38.552,10.005 ccw(c38.552,10.369) 38.809,10.111 MN32.2@39.052,10.354 ; MN32.2@39.027,10.38 MN32.2@39.052,10.354 ; MN32.2@39.077,10.38 MN32.2@39.052,10.354 ; T6.4@40.085,10.395 39.794,10.104 cw(c39.553,10.345) 39.553,10.005 cw(c39.553,10.369) 39.296,10.111 MN32.2@39.052,10.354
RX2_W: IC4.3 T9.3 | length 3.5
  Top w0.18: v1(41.475,13.425) 42.014,13.425 cw(c42.014,11.889) 43.1,12.975 43.553,12.522 ccw(c44.197,13.165) T9.3@44.197,12.255
  Bottom w0.18: IC4.3@41.053,13.425 v1(41.475,13.425)
RX2_W_A_N: IC1.AM4 MN50.1 MN52.2 | length 7.4
  Top w0.1: v1(33.596,10.017) cw(c33.678,9.935) 33.678,10.051 ccw(c33.678,10.397) 33.923,10.152 ; 33.923,10.153 cw(c34.338,9.738) 34.338,10.325 34.819,10.325 ccw(c34.819,10.931) 35.425,10.931 35.425,13.35 cw(c35.775,13.35) 35.775,13.7 ccw(c35.775,14.335) 36.224,13.886 MN50.1@36.413,14.075 ; MN50.1@36.438,14.1 MN50.1@36.413,14.075 ; MN52.2@37.488,14.1 37.195,13.807 cw(c36.937,14.065) 36.938,13.7 cw(c36.939,14.065) 36.681,13.807 MN50.1@36.413,14.075
RX2_W_A_P: IC1.AN3 MN46.2 MN50.2 | length 7.2
  Top w0.1: v1(33.929,9.684) ccw(c33.846,9.766) 33.963,9.766 cw(c34.309,9.766) 34.064,10.011 cw(c34.339,9.736) 34.339,10.125 34.819,10.125 ccw(c34.819,10.931) 35.625,10.931 35.625,13.35 cw(c35.775,13.35) 35.775,13.5 cw(c35.775,12.865) 36.224,13.314 MN50.2@36.413,13.125 ; MN50.2@36.438,13.1 MN50.2@36.413,13.125 ; MN46.2@37.488,13.1 37.195,13.393 ccw(c36.937,13.135) 36.938,13.5 ccw(c36.939,13.135) 36.681,13.393 MN50.2@36.413,13.125
RX2_W_B_N: MN48.1 MN52.1 T9.6 | length 3.1
  Top w0.1: MN52.1@38.488,14.1 38.781,13.807 ccw(c39.039,14.065) 39.039,13.7 ; 39.037,13.7 ccw(c39.037,14.065) 39.295,13.807 MN48.1@39.563,14.075 ; MN48.1@39.588,14.1 39.806,14.318 cw(c40.125,13.998) 40.125,14.45 ccw(c40.125,15.483) 40.856,14.753 T9.6@41.048,14.945
RX2_W_B_P: MN46.1 MN48.2 T9.4 | length 2.8
  Top w0.1: MN46.1@38.488,13.1 38.781,13.393 cw(c39.039,13.135) 39.039,13.5 ; 39.037,13.5 cw(c39.037,13.135) 39.295,13.393 MN48.2@39.563,13.125 ; MN48.2@39.806,12.882 ccw(c40.125,13.202) 40.125,12.75 cw(c40.125,11.717) 40.856,12.447 T9.4@41.048,12.255
RX_SW2: IC7.J3 R22.2 | length 54.5
  L4 w0.1: v1(7.125,25.375) 7.775,24.725 7.775,23.142 7.175,22.542 7.175,21.742 5.058,19.625 4.475,19.625 4.17,19.32 4.17,18.672 4.717,18.125 7.15,18.125 7.9,17.375 8.475,17.375 9.028,16.822 v1(9.028,16.582)
  L6 w0.1: v1(7.125,25.375) 7.575,24.925 8.65,24.925 9.075,24.5 10.29,24.5 10.94,25.15 12.525,25.15 13.625,26.25 16.784,26.25 16.959,26.075 17.675,26.075 20.175,23.575 24.395,23.575 24.708,23.887 25.22,23.887 25.783,24.45 31.617,24.45 31.867,24.2 34.625,24.2 39.85,18.975 39.85,18.35 v1(40.4,17.8)
  Bottom w0.2: IC7.J3@8.638,16.971 v1(9.028,16.582)
  Bottom w0.3: v1@40.4,17.775 v1@40.414,17.775 ; v1@40.414,17.8 R22.2@40.589,17.975 ; R22.2@40.589,17.95 40.62,17.95 R22.2@40.62,17.975